# KiCad board homebrew_486.kicad_pcb (continued)
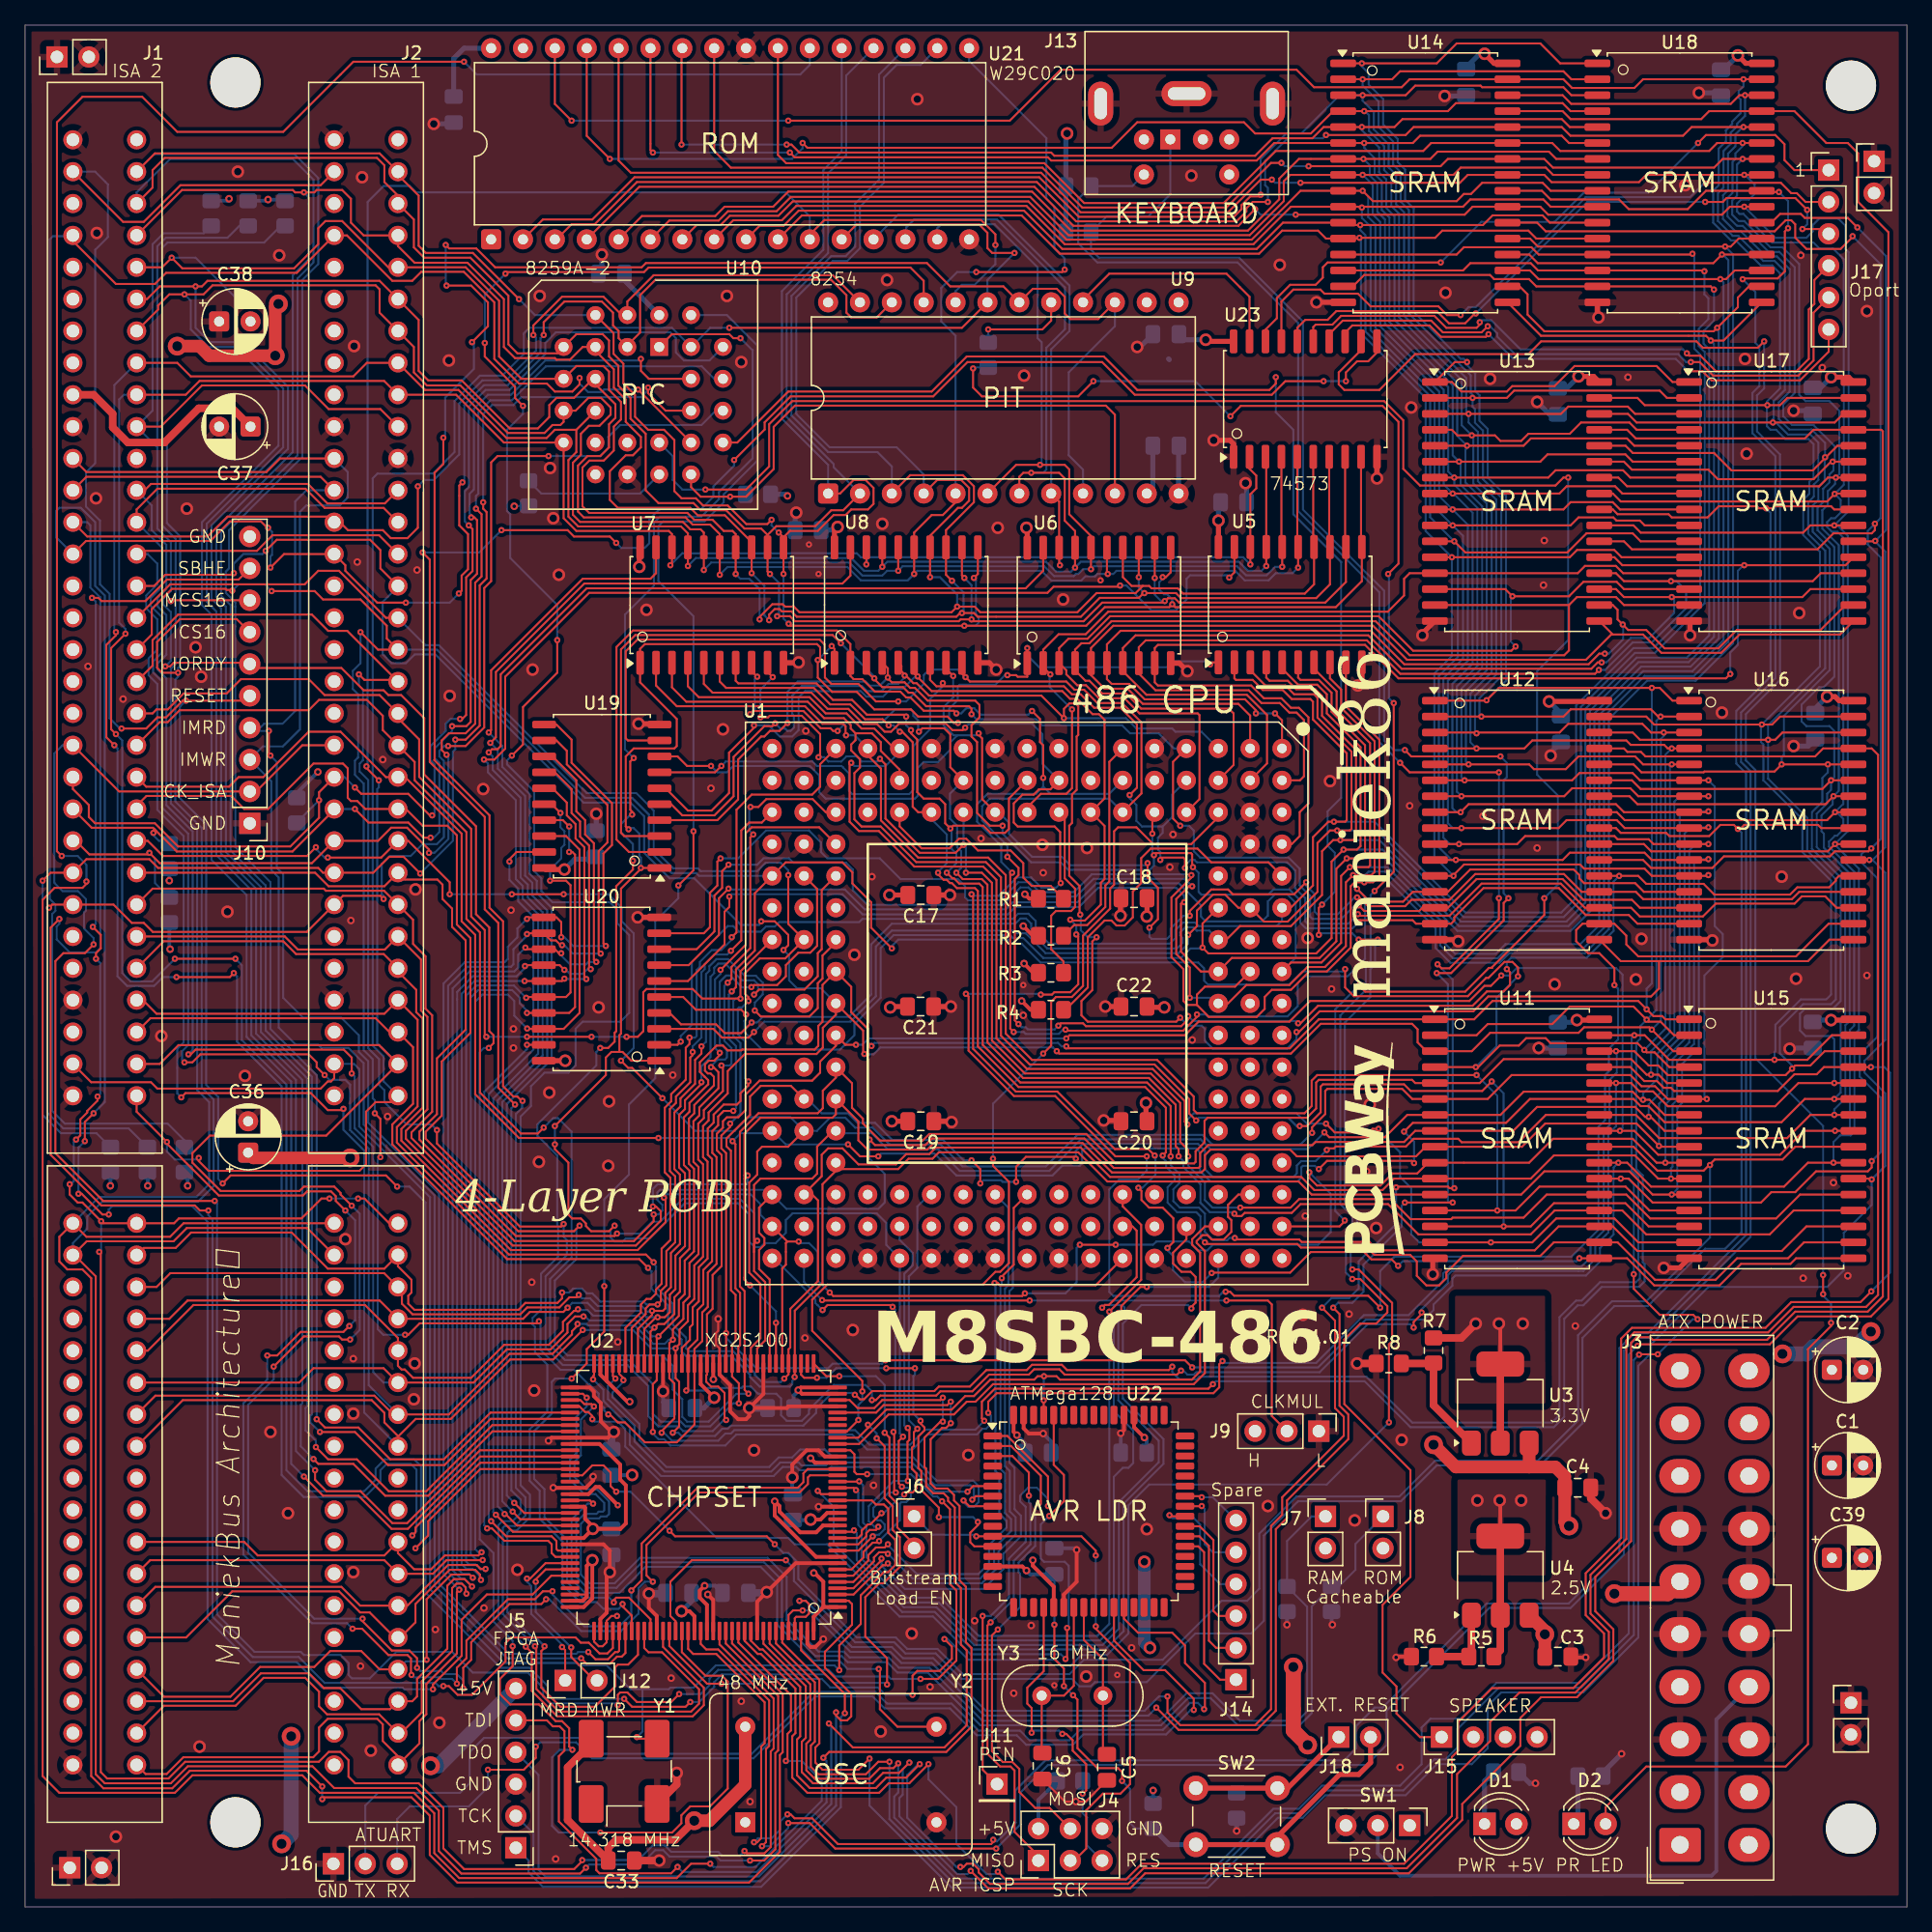
[diagram p0: board, top side]
## Routing (per net, layer and track width the routed paths; a pad name or vN(x,y) marks a point on that pad's centre or on a via; arc(x,y) is an arc through that point) (continued)
  Top w0.16: v3(44.2,121.87) 44.2,121.36 43.62,120.79 42.23,120.79 41.59,121.43 39.37,121.43 37.4,123.39 37.4,127.9 34.97,130.34 31.58,130.34 30.86,129.62 29.27,129.62 25.65,133.24 J2.4 21.65,130.25 11.24,130.25 10.35,129.36 7.24,129.36 3.81,132.79 J1.4 ; v3(48.86,120.95) U10.20
  Bottom w0.16: R25.1 12.7,61.1 11.37,62.43 3.18,62.43 2.16,63.45 2.16,79.13 2.41,79.39 2.41,79.9 1.97,80.34 1.97,132.92 2.22,133.17 3.75,133.17 J1.4 ; v3(48.86,120.95) 46.13,120.95 45.94,120.76 44.86,120.76 44.2,121.43 v3(44.2,121.87)
/ISA/IRQ3: length 116.6
  Top w0.16: v3(41.72,115.65) 37.66,115.65 37.15,115.14 37.15,105.68 36.6,105.13 36.6,94.01 35.12,92.53 v3(33.72,92.53) ; v3(28.57,80.34) 28.32,80.59 25.34,80.59 J2.25 22.46,77.72 10.18,77.72 9.46,78.44 8.51,78.44 7.05,79.9 J1.25 2.16,79.9 v3(1.91,79.64)
  Bottom w0.16: v3(41.72,115.65) 45.85,115.65 46.48,116.28 46.48,117.17 47.43,118.12 53.91,118.12 55.05,119.27 U10.21 ; R24.1 8.26,62.05 3.05,62.05 1.76,63.34 1.76,79.49 v3(1.91,79.64) ; v3(33.72,92.53) 33.4,92.53 33.02,92.15 33.02,91.71 33.38,91.35 33.38,85.27 32.83,84.72 31.69,84.72 30.73,83.77 29.08,83.77 28.45,83.13 28.43,83.13 28.43,80.72 28.57,80.57 v3(28.57,80.34)
/ISA/IRQ4: length 115.5
  Top w0.16: v3(31.5,82.37) 30.16,83.71 29.02,83.71 27.75,82.44 J2.24 23.75,82.44 23.37,82.82 10.6,82.82 9.91,83.52 4.89,83.52 J1.24 2.03,82.44 v3(1.4,81.8) ; v3(34.29,93.04) 35.11,93.04 36.24,94.16 36.24,105.34 36.79,105.89 36.79,111.18 36.51,111.46 v3(36.51,111.96) ; v3(49.66,121.11) 49.66,120.66 51.06,119.27 U10.22
  Bottom w0.16: v3(49.66,121.11) 49.66,120.92 49.09,120.35 39.56,120.35 38.93,119.71 37.21,119.71 36.51,119.01 v3(36.51,111.96) ; R23.1 5.69,61.67 2.86,61.67 1.4,63.13 v3(1.4,81.8) ; v3(34.29,93.04) 34.29,92.28 34.1,92.09 34.1,84.98 v3(31.5,82.37)
/ISA/IRQ5: length 95.6
  Top w0.16: 32.19,83.96 v3(32.19,84.02) 32.19,84.28 30.45,86.02 29.18,86.02 28.13,84.98 J2.23 22.86,83.2 10.73,83.2 10.03,83.9 5.12,83.9 4.04,84.98 J1.23 ; v3(35.94,111.46) 36.39,111.01 36.39,106.06 35.88,105.55 35.88,94.31 35.11,93.55 33.78,93.55 33.21,92.98 33.21,92.22 v3(33.59,91.83)
  Bottom w0.16: R21.2 10.35,81.61 10.35,83.58 v3(9.91,84.02) ; v3(33.59,91.83) 33.74,91.69 33.74,85.13 32.64,84.02 v3(32.19,84.02) ; v3(35.94,111.46) 35.94,112.47 36.13,112.66 36.13,119.14 37.08,120.09 38.8,120.09 41.5,122.8 53.94,122.8 54.93,121.81 U10.23
/ISA/IRQ6: length 92.2
  Top w0.16: J1.22 5.31,86.02 10.2,86.02 10.29,85.93 ; v3(49.09,123.39) 49.09,122.44 49.72,121.81 U10.24 ; 10.29,85.93 10.29,85.67 v3(10.22,85.61) 10.41,85.8 ; 10.29,85.93 10.41,85.8 ; 10.41,85.8 12.09,84.13 21.32,84.13 24.64,87.45 J2.22 ; v3(35.56,110.76) 35.81,110.76 36.03,110.55 36.03,106.27 35.52,105.76 35.52,94.46 35.18,94.12 v3(34.04,94.12) ; v3(26.29,87.52) 27.37,86.44 30.54,86.44 31.75,85.23 v3(32.32,85.23)
  Bottom w0.16: R20.2 11.27,84.98 10.67,84.98 10.22,85.42 v3(10.22,85.61) ; J2.22 v3(26.29,87.52) ; v3(34.04,94.12) 34.04,93.74 32.66,92.36 32.66,91.56 33.02,91.2 33.02,85.68 32.58,85.23 v3(32.32,85.23) ; v3(35.56,110.76) 35.56,110.95 35.43,111.07 35.43,112.64 35.77,112.98 35.77,119.41 36.89,120.54 38.73,120.54 41.46,123.27 48.96,123.27 v3(49.09,123.39)
/ISA/IRQ7: length 99.9
  Top w0.16: v3(26.29,89.23) 26.8,88.72 30.54,88.72 32.26,87.01 v3(32.45,87.01) ; v3(34.67,94.69) 34.84,94.69 35.16,95.01 35.16,105.97 35.67,106.48 35.67,109.83 v3(35.37,110.12) ; J2.21 23.43,88.85 v3(23.43,88.21) 23.43,86.82 21.15,84.53 12.19,84.53 10.35,86.38 5.58,86.38 5.08,86.88 5.08,87.83 3.81,89.1 J1.21
  Bottom w0.16: J2.21 25.46,90.06 v3(26.29,89.23) ; U10.25 54.55,123.27 52.51,123.27 51.88,123.9 51.88,125.04 51.41,125.51 42.31,125.51 41.47,124.66 41.47,123.78 38.6,120.92 36.7,120.92 35.37,119.58 35.37,113.17 35.05,112.85 35.05,110.44 v3(35.37,110.12) ; v3(32.45,87.01) 32.64,87.2 32.64,91.07 32.3,91.41 32.3,92.51 33.53,93.74 33.53,94.31 33.91,94.69 v3(34.67,94.69) ; 23.37,88.15 22.07,86.85 22.07,86.41 R19.2
/KB_INT: length 223.6
  Top w0.16: v3(105.79,50.81) 106.3,50.81 108.97,48.15 108.97,45.1 108.71,44.84 v3(108.71,38.62) ; v3(55.5,17.79) 54.36,17.79 51.35,20.8 U2.121 ; v3(103.12,77.48) 103.12,79.64 v3(103.38,79.9) ; v3(106.3,77.1) v3(107.82,77.1) ; U10.19 56.77,116.73 60.83,120.79 72.26,120.79 75.06,123.58 85.98,123.58 88.65,120.92 99.19,120.92 99.69,121.43 v3(99.69,121.93) ; v3(73.28,21.35) 73.87,20.76 73.87,19.78 72.9,18.81 71.12,18.81 70.74,18.43 v3(70.74,16.9) 70.74,16.78
  Bottom w0.16: v3(107.82,77.1) 107.61,76.89 107.61,75.11 107.23,74.73 107.23,72.53 105.2,70.5 105.2,56.23 106.17,55.26 106.17,54.24 105.66,53.73 105.66,50.94 v3(105.79,50.81) ; v3(73.28,21.35) 73.53,21.35 75.18,19.7 82.17,19.7 82.65,19.22 83.34,19.22 84.2,20.08 86.23,20.08 87.95,21.79 87.95,32.01 89.6,33.67 103.76,33.67 v3(108.71,38.62) ; v3(70.74,16.9) 68.58,16.9 67.99,17.5 64.18,17.5 63.5,18.17 58.17,18.17 57.78,17.79 v3(55.5,17.79) ; 103.38,79.77 v3(103.38,79.9) 104.39,80.91 104.39,84.02 103.82,84.6 103.82,87.33 104.9,88.41 104.9,107.2 101.09,111.01 101.09,117.74 99.69,119.14 v3(99.69,121.93) ; v3(106.3,77.1) 105.79,77.61 103.25,77.61 v3(103.12,77.48)
/PIC, PIT/D7_LED: length 177.4
  Top w0.16: v3(138.62,124.79) 138.11,124.28 133.73,124.28 133.22,124.79 120.84,124.79 119.82,123.77 110.81,123.77 107.95,120.92 105.16,120.92 104.71,121.36 104.71,122.31 106.49,124.09 U23.12 ; v3(143.95,46.56) 143.95,46.3 142.11,44.46 142.11,12.97 140.34,11.19 129.22,11.19 125.98,7.95 D2.2 ; v3(143.32,48.84) v3(143.32,50.37)
  Bottom w0.16: v3(138.62,124.79) 138.62,121.04 138.05,120.47 138.05,117.62 139.89,115.77 139.89,97.8 137.16,95.07 137.16,91.39 137.92,90.63 137.92,67.64 143.32,62.24 v3(143.32,50.37) ; v3(143.95,46.56) 143.95,48.08 143.32,48.72 v3(143.32,48.84)
/PIC, PIT/IRQ0: length 48
  Top w0.16: U9.10 86.87,118.95 86.15,119.67 61.36,119.67 59.67,117.98 59.67,114.61 57.47,112.41 v3(56.2,112.41) 53.85,112.41 53.09,113.17 U10.18
  Bottom w0.16: v3(56.2,112.41) 57.23,112.41 R22.1
/PIC, PIT/PC_SPK: length 7.8
  Top w0.16: v3(76.77,125.74) 81.09,125.74 81.79,126.44 U9.17
  Bottom w0.16: R10.1 v3(76.77,125.74)
/PIC, PIT/SPK_GATE: length 18.6
  Top w0.16: U23.19 97.6,128.35 95.76,130.19 86.42,130.19 84.33,128.09 U9.16
/PIT_LATCH_LE: length 208.2
  Top w0.16: v3(37.97,109.74) 43.24,109.74 43.75,109.23 46.61,109.23 v3(47.12,108.73) ; v3(39.05,63.96) 37.72,65.29 37.72,78.44 36.64,79.52 36.64,86.88 32.26,91.26 32.26,107.39 v3(31.69,107.96) ; U23.11 107.76,123.9 107.06,123.2 106.17,123.2 105.28,122.31 v3(105.28,121.62) ; v3(103.5,121.62) 100.46,121.62 99.38,120.54 88.46,120.54 85.85,123.14 75.12,123.14 72.39,120.41 61.02,120.41 58.95,118.34 58.95,117.76 v3(56.52,115.33) ; U2.120 50.85,20.73 54.1,17.48 54.1,16.08 53.21,15.19 42.42,15.19 40.39,17.22 40.39,20.27 39.94,20.71
  Bottom w0.16: v3(105.28,121.62) v3(103.5,121.62) ; v3(56.52,115.33) 56.52,114.88 54.86,113.23 54.86,112.41 53.85,111.39 50.55,111.39 49.76,110.61 49.76,108.7 49.38,108.32 47.52,108.32 v3(47.12,108.73) ; v3(39.05,63.96) 38.76,63.66 38.76,33.2 39.5,32.46 39.5,31.38 38.86,30.75 38.04,30.75 37.72,30.43 37.72,22.94 v3(39.91,20.75) 39.94,20.71 ; v3(31.69,107.96) 36.19,107.96 v3(37.97,109.74)
/TR_8B_0: length 93.4
  Top w0.16: v3(36.96,93.61) 37.15,93.8 37.15,98.57 44.45,105.87 49.85,105.87 50.29,106.31 U7.19 ; U2.93 39.79,31.4 v3(38.99,32.21)
  Bottom w0.16: v3(36.96,93.61) 38.04,92.53 38.04,90.88 40.22,88.7 40.22,82.35 40.79,81.78 40.79,80.83 41.97,79.64 41.97,67.57 38.4,64 38.4,32.8 v3(38.99,32.21)
/TR_8B_1: length 109.3
  Top w0.16: v3(38.86,31.51) 39.47,30.9 U2.94 ; v3(37.08,92.79) 37.53,93.23 37.53,98.44 44.58,105.49 65.15,105.49 65.79,106.12 U8.19
  Bottom w0.16: v3(38.86,31.51) 38.04,32.33 38.04,64.15 41.61,67.72 41.61,79.43 40.43,80.62 40.43,81.63 39.86,82.21 39.86,88.55 37.68,90.73 37.68,92.19 v3(37.08,92.79)
/TR_8B_2: length 125.1
  Top w0.16: U6.19 81.15,106.5 79.76,105.11 44.77,105.11 37.91,98.25 37.91,92.53 37.66,92.28 37.21,92.28 v3(36.96,92.02) ; 38.29,31.32 39.21,30.4 U2.95
  Bottom w0.16: 38.29,31.32 37.68,31.93 37.68,64.3 41.25,67.87 41.25,79.28 40.07,80.47 40.07,81.48 39.5,82.06 39.5,88.41 37.27,90.63 37.27,91.71 v3(36.96,92.02)
  vias: v3(38.22,31.32)
/TR_8B_3: length 144.2
  Top w0.16: v3(95.98,105.96) 96.39,106.38 U5.19 ; 87.31,105.36 v3(87.28,105.33) 87.19,105.23 81.98,105.23 81.49,104.75 44.96,104.75 38.27,98.06 38.27,92.32 37.4,91.45 v3(36.58,91.45) ; U2.96 38.88,29.9 v3(37.53,31.26)
  Bottom w0.16: v3(37.53,31.26) 37.32,31.46 37.32,64.45 40.89,68.02 40.89,79.13 39.67,80.36 39.67,81.38 39.12,81.93 39.12,88.21 36.89,90.44 36.89,91.14 v3(36.58,91.45) ; v3(95.98,105.96) 95.8,106.14 92.86,106.14 92.58,105.87 92.58,104.22 91.72,103.36 89.76,103.36 87.79,105.33 v3(87.28,105.33)
/TR_16B_0: length 65.7
  Top w0.16: U2.99 42.48,28.4 42.35,28.53 42.35,29.16 41.97,29.54 38.35,29.54 v3(37.15,30.75) ; U19.19 39.18,84.09 38.61,83.52 v3(38.61,83.33)
  Bottom w0.16: v3(37.15,30.75) 36.96,30.94 36.96,64.79 40.51,68.34 40.51,78.94 39.31,80.15 39.31,81.17 38.61,81.86 v3(38.61,83.33)
/TR_16B_3: length 49.5
  Top w0.16: 43.39,27.95 U2.100 42.28,27.9 41.97,28.21 41.97,28.91 41.7,29.18 38.2,29.18 37.21,30.18 v3(36.83,30.18) 36.77,30.18 ; U20.19 v3(40,68.72)
  Bottom w0.16: v3(40,68.72) 40,68.38 36.6,64.97 36.6,30.41 v3(36.83,30.18)
/~{PIC_CS}: length 129.7
  Top w0.16: v3(48.51,91.58) 48.24,91.31 48.24,87.45 48.39,87.3 v3(48.39,87.07) ; v3(45.85,68.47) 46.48,68.47 46.99,68.97 46.99,69.67 47.12,69.8 47.12,81.36 48.45,82.69 v3(48.45,83.39) ; v3(47.62,24.14) 47.69,24.08 47.69,23.89 48.35,23.23 U2.115 ; v3(57.02,125.04) 56.45,125.04 56.13,125.36 51.56,125.36 U10.1
  Bottom w0.16: v3(47.62,24.14) 47.62,24.08 47.31,23.76 46.1,23.76 45.57,24.29 44.24,24.29 42.84,25.69 42.84,29.12 41.02,30.94 41.02,33.16 40.22,33.97 40.22,38.07 41.62,39.48 41.62,43.22 40.64,44.21 40.64,46.24 40.45,46.43 40.45,46.94 41.13,47.62 41.13,50.47 42.48,51.83 42.48,54.18 42.42,54.24 42.42,59.89 40.83,61.48 40.83,62.37 45.53,67.07 45.53,68.15 v3(45.85,68.47) ; v3(48.39,87.07) 48.26,87.07 47.5,86.31 47.5,85.67 48.45,84.72 v3(48.45,83.39) ; v3(48.51,91.58) 47.82,92.28 47.82,103.01 50.12,105.32 50.12,110.33 50.61,110.82 53.91,110.82 55.31,112.22 55.31,112.79 58,115.48 58,124.09 57.98,124.09 v3(57.02,125.04)
/~{PIC_INTA}: length 127.6
  Top w0.16: v3(46.93,24.27) 46.93,24.46 47.12,24.65 48.13,24.65 49.85,22.93 U2.118 ; v3(52.07,81.42) 53.28,82.63 v3(53.28,85.74) ; v3(43.56,42.11) 44.77,43.32 44.77,44.46 46.16,45.86 v3(46.16,49.48)
  Bottom w0.16: v3(52.07,81.42) 52.07,80.4 50.23,78.56 50.23,66.05 48.13,63.96 48.13,58.37 46.16,56.4 v3(46.16,49.48) ; v3(46.93,24.27) 46.55,24.65 44.45,24.65 43.2,25.9 43.2,29.27 41.4,31.07 41.4,33.29 40.58,34.11 40.58,37.92 41.98,39.33 41.98,41.86 42.24,42.11 v3(43.56,42.11) ; v3(53.28,85.74) 53.28,102.88 50.48,105.68 50.48,110.06 50.86,110.44 54.17,110.44 55.69,111.96 55.69,112.6 58.36,115.27 58.36,124.47 55.94,126.89 U10.26
/~{PIT_CS}: length 183.1
  Top w0.16: v3(38.29,130.19) 38.42,130.31 49.34,130.31 49.7,130.67 70.57,130.67 71.63,129.62 U9.21 ; 38.8,91.71 v3(38.8,91.77) 39.69,92.66 39.69,95.64 42.42,98.37 v3(42.42,100.98) ; v3(41.4,20.78) 41.4,20.65 41.15,20.4 41.15,17.48 42.67,15.95 45.4,15.95 47.05,17.6 47.05,19.13 47.24,19.32 48.07,19.32 48.85,20.1 U2.116 ; v3(36.64,124.66) 36.64,123.58 39.05,121.17 39.05,120.28 v3(39.69,119.65)
  Bottom w0.16: v3(41.4,20.78) 40.83,21.35 40.58,21.35 38.44,23.49 38.44,29.84 38.61,30.01 39.2,30.01 40.24,31.04 40.24,32.86 39.5,33.6 39.5,63.01 40.32,63.83 40.32,65.41 41.41,66.5 43.31,66.5 43.88,67.07 43.88,69.99 44.45,70.56 47.46,70.56 48.15,71.26 48.15,77.46 47.2,78.41 47.2,79.49 46.61,80.09 42.04,80.09 41.15,80.98 41.15,81.99 40.58,82.56 40.58,88.91 38.42,91.07 38.42,91.39 v3(38.8,91.77) ; v3(38.29,130.19) 36.64,128.54 v3(36.64,124.66) ; v3(42.42,100.98) 42.42,103.77 38.67,107.52 38.67,111.01 38.42,111.27 38.42,117.74 39.69,119.01 v3(39.69,119.65)
/~{RAM_CS0}: length 316.9
  Top w0.16: U2.138 59.85,21 62.95,17.9 62.95,13.18 62.63,12.86 62.63,11.17 63.22,10.58 67.01,10.58 68.01,11.57 v3(68.9,11.57) ; v3(128.23,50.43) 128.23,49.27 130.3,47.19 132.97,47.19 v3(133.32,46.84) ; U12.22 128.97,83.45 129.6,82.82 134.49,82.82 135.41,83.74 143.86,83.74 144.26,84.14 146.93,84.14 v3(147.16,84.37) ; 147.45,110.19 147.45,109.74 147.19,109.49 144.15,109.49 142.88,108.22 128.08,108.22 127.44,108.85 U13.22 ; v3(128.65,44.02) 128.68,44.05 v3(130.14,44.05) ; v3(147.19,59.45) 147.19,58.94 146.88,58.63 142.76,58.63 141.1,56.97 139.19,56.97 138.37,56.15 129.73,56.15 127.83,58.05 v3(127.19,58.05) U11.22 ; U14.22 120.52,134.25 121.21,133.56 139.45,133.56 140.34,134.44 140.78,134.44 141.1,134.12 141.1,133.05 141.99,132.16 144.72,132.16 145.67,133.11 v3(145.67,133.17)
  Bottom w0.16: v3(130.14,44.05) 132.94,46.84 v3(133.32,46.84) ; v3(147.19,59.45) 147.91,60.17 147.91,64.51 146.24,66.18 146.24,67.96 147.64,69.36 147.64,81.99 146.37,83.26 146.37,83.9 146.62,84.15 146.94,84.15 v3(147.16,84.37) 147.91,85.12 147.91,107.56 146.88,108.6 146.88,109.68 v3(147.45,110.25) 147.89,110.69 147.89,130.95 v3(145.67,133.17) ; v3(127.19,58.05) 127.76,58.05 128.23,57.59 v3(128.23,50.43) ; v3(68.9,11.57) 68.9,7 74,1.9 94.09,1.9 99.65,7.46 101.68,7.46 103.5,9.28 109.85,9.28 112.33,11.76 113.22,11.76 114.17,12.71 114.17,14.17 117.47,17.48 124.04,17.48 128.23,21.67 128.23,43.6 v3(128.65,44.02)
/~{RAM_CS1}: length 237.8
  Top w0.16: v3(147.48,108.88) 147.45,108.85 U17.22 ; v3(146.05,133.87) 145.29,134.63 141.86,134.63 141.54,134.95 139.89,134.95 139.19,134.25 U18.22 ; v3(67.31,11.82) 66.42,10.94 63.56,10.94 62.99,11.51 62.99,12.71 63.31,13.03 63.31,18.11 60.35,21.07 U2.139 ; U15.22 147.13,58.05 v3(147.19,57.99) ; U16.22 v3(147,83.45)
  Bottom w0.16: 147.26,83.45 148.27,84.47 148.27,108.03 147.45,108.85 v3(147.48,108.88) 148.34,109.74 148.34,131.59 v3(146.05,133.87) ; 147.26,83.45 v3(147,83.45) ; 147.26,83.45 148.27,82.44 148.27,69.1 146.62,67.45 146.62,66.5 148.27,64.85 148.27,59.07 v3(147.19,57.99) 147.19,55.96 144.97,53.73 144.97,50.75 143.64,49.42 134.18,49.42 129.6,44.84 129.6,44.15 128.59,43.13 128.59,21.48 124.21,17.09 117.67,17.09 116.59,16.02 116.59,12.65 115.32,11.38 112.52,11.38 110.05,8.9 103.63,8.9 101.83,7.1 99.86,7.1 94.3,1.54 73.85,1.54 67.31,8.08 v3(67.31,11.82)
/~{ROM_OE}: length 291.3
  Top w0.16: v3(34.99,147.08) 26.16,147.08 20.57,141.49 12.13,141.49 9.33,144.29 4.57,144.29 2.54,142.25 2.54,84.15 v3(2.92,83.77) ; U2.132 56.85,21.08 61.04,16.88 61.04,14.07 60.77,13.79 60.77,11.76 v3(60.64,11.63) ; v3(4.89,81.74) 4.89,81.55 4.57,81.23 2.35,81.23 1.4,80.28 1.4,10.43 2.73,9.09 11.94,9.09 13.33,10.49 22.1,10.49 23.5,9.09 30.99,9.09 32.62,7.46 32.62,4.29 34.61,2.3 51.94,2.3 53.09,3.44 v3(54.61,3.44)
  Bottom w0.16: v3(54.61,3.44) 54.86,3.19 58.23,3.19 63.5,8.46 63.5,10.05 61.91,11.63 v3(60.64,11.63) ; v3(2.92,83.77) 4.19,83.77 4.89,83.07 v3(4.89,81.74) ; v3(34.99,147.08) 36,146.06 61.79,146.06 62.55,146.83 U21.22
Net-(D1-K): length 4.4
  Bottom w0.4: R14.1 116.33,10.03 D1.1
Net-(D2-K): length 3.9
  Bottom w0.4: R15.1 123.78,6.95 D2.1
Net-(J3-PS_ON#): length 45.9
  Bottom w0.3: J3.14 134.81,14.94 134.81,2.87 134.43,2.49 109.6,2.49 107.82,4.27 SW1.2
Net-(J14-Pin_1): length 13.7
  Top w0.16: U22.37 93.51,28.74 93.98,28.27 93.98,19.38 95.25,18.11 J14.1
Net-(J14-Pin_2): length 12.2
  Top w0.16: J14.2 94.93,20.65 94.36,21.22 94.36,28.78 93.6,29.54 U22.38
Net-(J14-Pin_3): length 10.3
  Top w0.16: U22.39 93.62,30.34 94.72,29.24 94.72,23.59 95.12,23.19 J14.3
Net-(J14-Pin_4): length 10.8
  Top w0.16: v3(91.22,31.22) 91.3,31.14 U22.40
  Bottom w0.16: 91.19,31.19 v3(91.22,31.22) 91.44,31 93.15,31 93.66,30.49 93.66,27.32 95.25,25.73 J14.4
Net-(J14-Pin_5): length 7.2
  Top w0.16: U22.41 93.78,31.94 v3(93.79,31.95)
  Bottom w0.16: v3(93.79,31.95) 94.02,31.72 94.02,28.93 94.68,28.27 J14.5
Net-(J14-Pin_6): length 4.9
  Top w0.16: v3(93.79,32.65) 93.7,32.74 U22.42
  Bottom w0.16: v3(93.79,32.65) 94.68,32.65 J14.6
Net-(J15-Pin_1): length 157.2
  Top w0.16: v3(107.57,80.98) 109.09,82.5 v3(109.09,95.96) ; v3(108.65,106.25) 109.47,107.07 109.47,118.38 108.2,119.65 96.9,119.65 v3(96.08,118.82) ; v3(75.56,122.63) 75.56,121.11 76.26,120.41 83.95,120.41 v3(85.15,121.62) ; v3(105.79,50.05) 106.43,50.05 108.59,47.89 108.59,47.38 107.7,46.5 106.43,46.5 105.16,45.23 105.16,40.08 110.43,34.81 110.43,26.3 108.2,24.08 108.2,18.68 109.32,17.57 109.32,15.41 111.19,13.54 J15.1
  Bottom w0.16: v3(105.79,50.05) 105.28,50.56 105.28,53.99 105.79,54.5 105.79,55.07 104.84,56.02 104.84,71.07 106.87,73.1 106.87,75.01 107.25,75.39 107.25,80.66 v3(107.57,80.98) ; v3(85.15,121.62) 93.28,121.62 v3(96.08,118.82) ; v3(75.56,122.63) 75.64,122.71 R10.2 ; v3(108.65,106.25) 108.71,106.19 108.71,96.34 v3(109.09,95.96)
Net-(J17-Pin_1): length 55.6
  Top w0.16: v3(112.84,131.08) 103.82,131.08 103.44,130.7 103.44,129.87 102.87,129.3 100.84,129.3 99.78,128.24 99.78,126.63 98.87,125.72 U23.18 ; v3(133.35,140.6) 133.98,141.24 139.51,141.24 140.24,140.51 140.24,139.24 141.03,138.44 J17.1
  Bottom w0.16: v3(112.84,131.08) 116.08,134.32 121.92,134.32 124.25,136.64 129.39,136.64 v3(133.35,140.6)
Net-(J17-Pin_2): length 53
  Top w0.16: v3(133.98,137.36) 134.05,137.43 139.95,137.43 140.78,136.6 141.23,136.6 141.92,135.9 J17.2 ; U23.17 100.14,127.97 101.09,128.92 103.25,128.92 103.58,128.59 106.24,128.59 107.25,127.58 112.65,127.58 113.35,126.89 v3(114.43,126.89)
  Bottom w0.16: v3(114.43,126.89) 115.06,127.52 115.63,127.52 124.4,136.28 132.72,136.28 133.79,137.36 v3(133.98,137.36)
Net-(J17-Pin_3): length 51.1
  Top w0.16: v3(133.92,135.9) 135.32,135.9 135.63,136.21 141.11,136.21 v3(142.05,135.27) ; v3(141.67,133.74) 143.38,133.74 J17.3 ; v3(115.63,127.01) 115.57,127.01 114.79,126.23 113.5,126.23 112.52,127.2 104.52,127.2 103.82,126.51 102.04,126.51 101.41,125.87 U23.16
  Bottom w0.16: v3(115.63,127.01) 124.52,135.9 v3(133.92,135.9) ; v3(141.67,133.74) 142.05,134.12 v3(142.05,135.27)
Net-(J17-Pin_4): length 51.9
  Top w0.16: U23.15 102.68,125.93 102.87,126.12 104.2,126.12 104.9,126.82 112.33,126.82 113.28,125.87 115.7,125.87 115.95,126.12 v3(115.95,126.31) ; J17.4 142.62,129.68 142.62,127.78 142.18,127.33 142.18,123.4 141.2,122.42 134.77,122.42 133.54,123.65 132.65,123.65 v3(132.46,123.84)
  Bottom w0.16: v3(115.95,126.31) 116.11,126.48 116.87,126.48 119.19,124.16 132.14,124.16 v3(132.46,123.84)
Net-(J17-Pin_5): length 48
  Top w0.16: v3(116.59,126) 116.1,125.51 113.01,125.51 112.08,126.44 105.03,126.44 103.95,125.36 U23.14 ; J17.5 142.56,127.08 142.56,123.27 141.35,122.06 134.56,122.06 133.48,123.14 v3(132.78,123.14)
  Bottom w0.16: v3(132.78,123.14) 132.4,123.14 131.76,123.77 118.75,123.77 117.35,125.17 117.35,125.42 116.78,126 v3(116.59,126)
Net-(J17-Pin_6): length 44.2
  Top w0.16: v3(116.65,125.36) 116.44,125.15 112.86,125.15 111.95,126.06 105.79,126.06 105.22,125.49 U23.13 ; 143.76,125.74 143.76,123.97 141.48,121.68 134.43,121.68 133.7,122.41 v3(132.56,122.41)
  Bottom w0.16: v3(116.65,125.36) 118.62,123.39 131.57,123.39 v3(132.56,122.41)
Net-(J18-Pin_1): length 16.5
  Top w0.4: J18.1 100.64,9.47 SW2.1 SW2.1
  Bottom w0.4: R29.1 96.96,9.47 SW2.1
Net-(U1-DP0): length 17.9
  Top w0.16: R1.2 81.75,81.38 80.24,81.38 79.57,82.06 79.57,83.2 78.55,84.21 75.95,84.21 75.01,85.15 74.44,85.15 73.68,84.38 71.46,84.38 69.71,86.13 U1.N3
Net-(U1-DP1): length 17.5
  Top w0.16: U1.F1 86.42,91.28 86.42,81.74 86.11,81.42 86.11,79.71 84.66,78.26 83.62,78.26 R2.2
Net-(U1-DP2): length 15.2
  Top w0.16: R3.2 82.77,75.36 81.79,76.34 81.79,79.01 82.16,79.38 83.37,79.38 83.69,79.71 83.69,81.17 82.87,81.99 82.87,86.8 U1.H3
Net-(U1-DP3): length 28.7
  Top w0.16: U1.A5 99.11,83.26 94.55,83.26 93.45,84.36 89.73,84.36 88.96,83.6 88.96,81.61 88.3,80.94 88.3,78.88 87.64,78.23 86.99,78.23 86.59,78.63 86.04,78.63 84.71,77.29 84.71,73.29 82.93,71.51 R4.2
Net-(U3-ADJ): length 10.2
  Top w0.6: U3.1 112.27,39.99 R7.2 112.24,43.32 R8.2
Net-(U4-ADJ): length 6
  Top w0.6: R6.2 R5.2 115.29,20.16 U4.1
Net-(U10-~{SP}/~{EN}): length 11.5
  Bottom w0.16: R26.1 41.15,112.66 49.02,112.66 U10.16

## Copper pours and planes (outline as drawn; the poured copper is in the pictures)
+2V5 on Top, Bottom, In1.Cu: 114.18,26.43 114.18,34.3 121.22,34.3 121.19,26.4
+3.3V on Top, Bottom, In1.Cu: 113.99,40.12 113.98,48.72 121.16,48.72 121.19,40.12
+5V on In1.Cu: 149.35,149.49 0.51,149.49 0.76,0.65 149.35,0.9
GND on Top, Bottom, In2.Cu: 149.35,149.49 0.51,149.49 0.76,0.65 149.35,0.9

## Text on the board
B.Silkscreen: GND | +12V | +5V | PS_ON | -12V | S1 | S9 | S17 | Assembled in Poland | Special thanks to: | +2V5 | +3.3V | J17 | J1 | A1 | A9 | A17 | Made by a dude who loves digital electronics and retro computing | Shout-out to: TRW, ZSEM and PCBWay | P.G 09/2025
F.Silkscreen: GND | RES | L | 1 | ISA 2 | ISA 1 | 8259A-2 | XC2S100 | 8254 | W29C020 | ATMega128 | Spare | 74573 | EXT. RESET | SPEAKER | Oport | TX | RX | MRD | MWR | 14.318 MHz | Bitstream / Load EN | SCK | RESET | RAM | PS ON | ROM | PWR +5V | PR LED | Cacheable | ATUART | FPGA / JTAG | 48 MHz | AVR ICSP | PEN | MOSI | 16 MHz | CLKMUL | 3.3V | 2.5V | ATX POWER | SBHE | MCS16 | ICS16 | IORDY | IMRD | IMWR | CK_ISA | +5V | TDI | TDO | TCK | TMS | MISO | H | REV 1.01 | KEYBOARD | PIC | CHIPSET | OSC | PIT | AVR LDR | SRAM | 486 CPU | maniek86 | ManiekBus Architecture™ | 4-Layer PCB | M8SBC-486
